# KiCad board pandakbd_panel.kicad_pcb (continued)
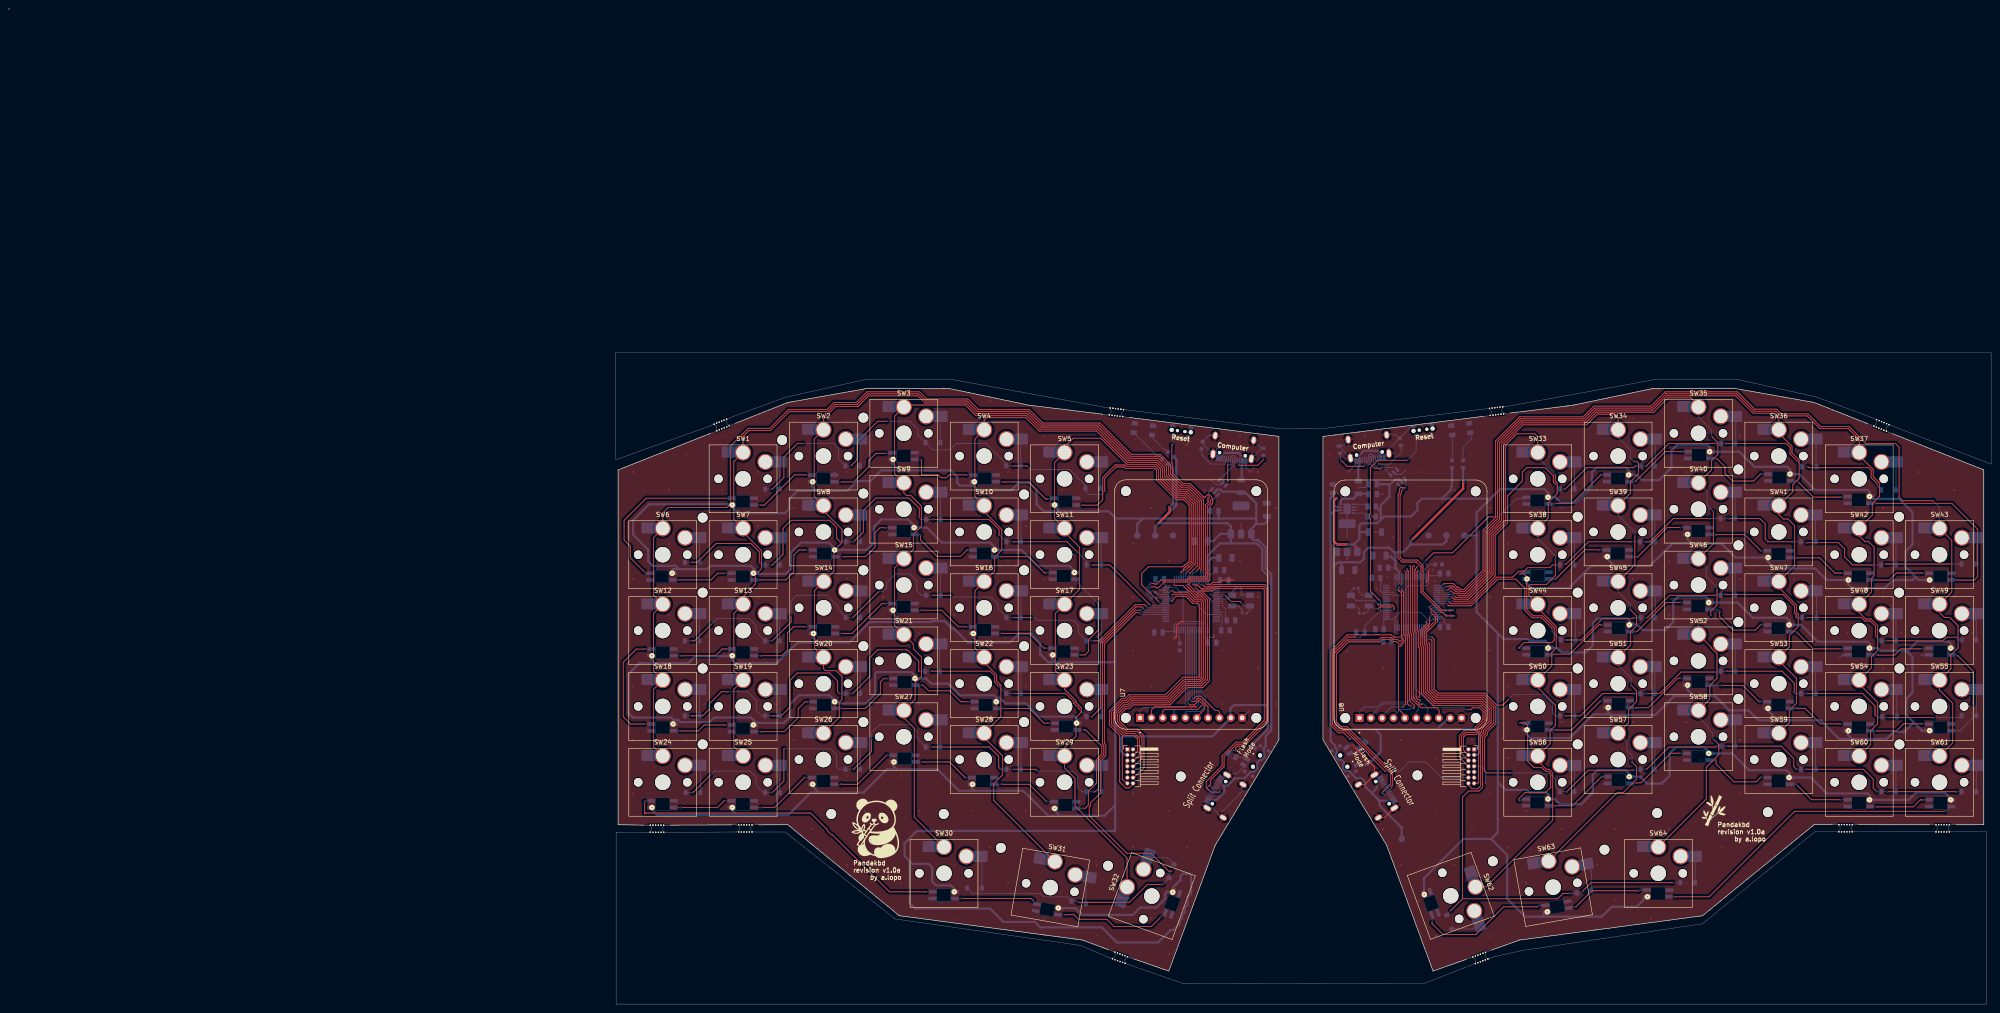
[diagram p0: board, top side]
## Routing (per net, layer and track width the routed paths; a pad name or vN(x,y) marks a point on that pad's centre or on a via; arc(x,y) is an arc through that point) (continued)
Net-(LED27-DOUT): length 15.8
  Top w0.2: v1(32.71,44.05) 35.62,44.05 v1(42.31,50.75)
  Bottom w0.2: v1(42.31,50.75) 44.01,50.75 ; 31.02,44.05 v1(32.71,44.05)
Net-(LED28-DOUT): length 13.6
  Top w0.2: v1(24.31,45.55) 22.82,44.05 v1(14.51,44.05)
  Bottom w0.2: v1(24.31,45.55) 26.01,45.55 ; 13.02,44.05 v1(14.51,44.05)
Net-(LED29-DOUT): length 76.4
  Top w0.2: v1(69.51,25.15) 61.36,25.15 48.56,37.95 48.31,37.95 47.46,38.8 47.46,39.05 43.71,42.8 6.71,42.8 6.51,42.6 v1(6.51,45.4)
  Bottom w0.2: v1(6.51,45.4) 6.66,45.55 8.01,45.55 ; v1(69.51,25.15) 71.01,25.15
Net-(LED30-DOUT): length 18.9
  Top w0.2: v1(77.51,23.65) 93.1,23.65 v1(93.53,23.22)
  Bottom w0.2: v1(93.53,23.22) 94.38,22.37 ; 76.02,23.65 v1(77.51,23.65)
Net-(LED31-DOUT): length 26.5
  Top w0.2: v1(122.08,19.43) 120.05,17.4 111.64,17.4 110.04,19 103.71,19 102.69,20.03 v1(100.71,20.03)
  Bottom w0.2: 99.05,20.03 v1(100.71,20.03) ; v1(122.08,19.43) 123.15,20.51
Net-(LED33-DOUT): length 15.8
  Top w0.2: v1(220.71,118.6) 214.31,112.2 v1(210.51,112.2)
  Bottom w0.2: 209.02,112.07 210.38,112.07 v1(210.51,112.2) ; v1(220.71,118.6) 222.04,118.6 222.07,118.57
Net-(LED34-DOUT): length 15.9
  Top w0.2: v1(228.51,117.2) 235.11,123.8 v1(238.91,123.8)
  Bottom w0.2: 240.21,123.77 240.18,123.8 v1(238.91,123.8) ; v1(228.51,117.2) 228.38,117.07 227.07,117.07
Net-(LED35-DOUT): length 16.7
  Top w0.2: v1(256.51,118.8) 254.91,117.2 250.21,117.2 248.51,118.9 248.51,120.4 v1(246.71,122.2)
  Bottom w0.2: 258.21,118.77 256.55,118.77 v1(256.51,118.8) ; v1(246.71,122.2) 246.64,122.27 245.22,122.27
Net-(LED36-DOUT): length 14.4
  Top w0.2: v1(274.31,113.6) 268.31,113.6 v1(265.11,116.8)
  Bottom w0.2: 276.01,113.75 275.86,113.6 v1(274.31,113.6) ; v1(265.11,116.8) 264.64,117.27 263.22,117.27
Net-(LED37-DOUT): length 43.4
  Top w0.2: v1(282.31,112.2) 299.31,112.2 305.11,106.4 305.11,95.8 304.31,95 v1(300.51,95)
  Bottom w0.2: v1(300.51,95) 299.25,95 299.22,95.03 ; 281.02,112.25 282.26,112.25 v1(282.31,112.2)
Net-(LED38-DOUT): length 13.9
  Top w0.2: v1(292.71,96.6) 286.91,96.6 285.31,95 v1(282.31,95)
  Bottom w0.2: 294.21,96.53 294.14,96.6 v1(292.71,96.6) ; v1(282.31,95) 282.26,95.05 281.02,95.05
Net-(LED39-DIN): length 31.9
  Top w0.2: v1(202.51,96.4) 203.51,96.4 204.11,95.8 204.11,88.4 205.51,87 207.66,87 210.26,84.4 210.26,81.55 209.71,81 203.51,81 202.35,79.83 202.31,79.83 v1(202.35,79.8)
  Bottom w0.2: v1(202.35,79.8) 203.98,79.8 204.01,79.77 ; v1(202.51,96.4) 202.88,96.77 204.01,96.77
Net-(LED39-DOUT): length 16
  Top w0.2: v1(220.71,84.97) 220.68,85 220.31,85 213.71,78.4 v1(210.31,78.4)
  Bottom w0.2: v1(210.31,78.4) 210.18,78.27 209.02,78.27 ; v1(220.71,84.97) 222.21,84.97
Net-(LED40-DIN): length 15.8
  Top w0.2: v1(220.31,101.8) 217.11,101.8 v1(210.51,95.2)
  Bottom w0.2: v1(220.31,101.8) 220.35,101.77 222.01,101.77 ; v1(210.51,95.2) 209.09,95.2 209.02,95.27
Net-(LED41-DIN): length 15.8
  Top w0.2: v1(228.91,100.2) 228.95,100.2 235.55,106.8 v1(238.51,106.8)
  Bottom w0.2: 240.01,106.75 239.96,106.8 v1(238.51,106.8) ; v1(228.91,100.2) 227.09,100.2 227.02,100.27
Net-(LED42-DIN): length 14.5
  Top w0.2: v1(246.51,105.2) 252.91,105.2 v1(256.51,101.6)
  Bottom w0.2: 245.02,105.25 245.07,105.2 v1(246.51,105.2) ; 258.01,101.57 256.55,101.57 v1(256.51,101.6)
Net-(LED43-DIN): length 14.5
  Top w0.2: v1(274.51,96.6) 273.11,96.6 269.71,100 v1(264.71,100)
  Bottom w0.2: v1(274.51,96.6) 274.56,96.55 276.01,96.55 ; v1(264.71,100) 263.09,100 263.02,100.07
Net-(LED45-DOUT): length 15.5
  Top w0.2: v1(238.51,90) 235.31,90 228.78,83.47 v1(228.51,83.47)
  Bottom w0.2: v1(238.51,90) 239.98,90 240.01,89.97 ; v1(228.51,83.47) 227.22,83.47
Net-(LED46-DOUT): length 16.1
  Top w0.2: v1(247.31,88) 247.31,86.8 250.31,83.8 255.31,83.8 v1(256.51,85)
  Bottom w0.2: 245.02,88.47 246.64,88.47 247.11,88 v1(247.31,88) ; v1(256.51,85) 257.98,85 258.01,84.97
Net-(LED47-DOUT): length 14.7
  Top w0.2: v1(264.71,83.2) 268.31,79.6 v1(274.31,79.6)
  Bottom w0.2: v1(264.71,83.2) 264.44,83.47 263.02,83.47 ; 276.01,79.77 275.84,79.6 v1(274.31,79.6)
Net-(LED48-DOUT): length 13.9
  Top w0.2: v1(292.31,79.6) 287.91,79.6 286.51,78.2 v1(282.71,78.2)
  Bottom w0.2: 281.02,78.27 282.64,78.27 v1(282.71,78.2) ; 294.21,79.77 294.04,79.6 v1(292.31,79.6)
Net-(LED49-DOUT): length 22.9
  Top w0.2: v1(300.71,78) 304.11,74.6 v1(304.11,67.4)
  Bottom w0.2: 299.22,78.27 300.44,78.27 v1(300.71,78) ; 299.22,61.27 301.18,61.27 304,64.09 304,65.22 304.11,65.33 v1(304.11,67.4)
Net-(LED50-DOUT): length 13.9
  Top w0.2: v1(282.51,61.2) 286.91,61.2 288.51,62.8 v1(292.71,62.8)
  Bottom w0.2: 281.02,61.25 281.07,61.2 v1(282.51,61.2) ; 294.21,62.77 292.75,62.77 v1(292.71,62.8)
Net-(LED51-DIN): length 31.1
  Top w0.2: v1(202.31,45.6) 202.31,46 203.71,47.4 208.31,47.4 209.46,48.55 209.46,51.61 208.92,52.16 208.32,52.16 207.48,53 205.71,53 204.31,54.4 204.31,62.4 203.71,63 202.71,63 v1(202.66,62.95)
  Bottom w0.2: 204.01,45.95 203.86,45.8 202.91,45.8 202.71,45.6 v1(202.31,45.6) ; v1(202.66,62.95) 204.01,62.95
Net-(LED51-DOUT): length 15.9
  Top w0.2: v1(220.91,50.95) 220.86,50.95 214.36,44.45 v1(210.31,44.45)
  Bottom w0.2: v1(220.91,50.95) 222.21,50.95 ; v1(210.31,44.45) 209.02,44.45
Net-(LED52-DIN): length 15.9
  Top w0.2: v1(220.51,67.8) 214.11,61.4 v1(210.71,61.4)
  Bottom w0.2: 222.21,67.95 220.66,67.95 v1(220.51,67.8) ; 209.02,61.45 209.07,61.4 v1(210.71,61.4)
Net-(LED53-DIN): length 15.6
  Top w0.2: v1(228.51,66.4) 231.31,66.4 237.91,73 v1(238.51,73)
  Bottom w0.2: v1(228.51,66.4) 227.27,66.4 227.22,66.45 ; v1(238.51,73) 238.55,72.97 240.01,72.97
Net-(LED54-DIN): length 14.5
  Top w0.2: v1(247.71,71.4) 252.51,71.4 256.11,67.8 v1(256.31,67.8)
  Bottom w0.2: 245.02,71.47 245.09,71.4 v1(247.71,71.4) ; v1(256.31,67.8) 257.98,67.8
Net-(LED55-DIN): length 14.5
  Top w0.2: v1(274.31,62.8) 269.91,62.8 266.44,66.27 v1(264.38,66.27)
  Bottom w0.2: v1(274.31,62.8) 275.96,62.8 276.01,62.75 ; v1(264.38,66.27) 263.02,66.27
Net-(LED57-DOUT): length 15.6
  Top w0.2: v1(238.31,56.2) 236.31,56.2 229.71,49.6 v1(228.71,49.6)
  Bottom w0.2: 227.22,49.45 228.56,49.45 v1(228.71,49.6) ; v1(238.31,56.2) 239.98,56.2 240.01,56.17
Net-(LED58-DOUT): length 15.9
  Top w0.2: v1(256.51,50.8) 255.51,49.8 250.51,49.8 246.51,53.8 v1(246.51,54.6)
  Bottom w0.2: v1(246.51,54.6) 246.44,54.67 245.02,54.67 ; v1(256.51,50.8) 257.98,50.8 258.01,50.77
Net-(LED59-DOUT): length 14.4
  Top w0.2: v1(264.91,48.8) 267.91,45.8 v1(274.31,45.8)
  Bottom w0.2: v1(264.91,48.8) 264.44,49.27 263.02,49.27 ; v1(274.31,45.8) 275.98,45.8 276.01,45.77
Net-(LED60-DOUT): length 13.9
  Top w0.2: v1(292.91,45.77) 292.28,45.77 290.71,44.2 v1(282.51,44.2)
  Bottom w0.2: v1(282.51,44.2) 281.09,44.2 281.02,44.27 ; v1(292.91,45.77) 294.21,45.77
Net-(LED61-DOUT): length 71.6
  Top w0.2: v1(297.71,43.2) 264.11,43.2 244.96,24.05 v1(237.26,24.05)
  Bottom w0.2: v1(297.71,43.2) 298.15,43.2 299.22,44.27 ; v1(237.26,24.05) 236.02,24.05
Net-(LED62-DOUT): length 19.2
  Top w0.2: v1(229.11,25.4) 218.71,25.4 v1(215.11,21.8)
  Bottom w0.2: 231.01,25.55 229.26,25.55 v1(229.11,25.4) ; v1(215.11,21.8) 213.79,21.8 213.51,21.52
Net-(LED63-DIN): length 31.1
  Top w0.2: v1(206.51,21.8) 198.91,21.8 192.71,15.6 185.31,15.6 182.91,18 v1(182.91,18.2)
  Bottom w0.2: v1(182.91,18.2) 182.91,19.89 182.82,19.99 ; v1(206.51,21.8) 206.84,22.12 208.32,22.12
Net-(U3-PA11): length 1.5
  Bottom w0.2: 122.54,91.3 122.33,91.3 122.03,91 R13.1
Net-(U3-PA12): length 1.9
  Bottom w0.2: 122.55,91.79 122.28,91.78 121.58,91.78 121.11,92.25 R14.1
Net-(U3-VCAP_1): length 3
  Bottom w0.2: U3.30 126.17,82 126.36,81.81 126.36,81.03 126.39,81
Net-(U4-PA11): length 1.2
  Bottom w0.2: 184.67,88.28 184.94,88.28 185.83,88.28 185.86,88.25
Net-(U4-PA12): length 2.5
  Bottom w0.2: U4.45 185.08,87.78 185.86,87 R16.1
Net-(U4-VCAP_1): length 4.8
  Bottom w0.2: U4.30 181.05,97.18 182.36,98.5 183.84,98.5
Net-(U6-ILIM): length 3.5
  Bottom w0.2: R5.1 167.69,110.01 U6.4
Net-(U6-STAT): length 3.4
  Bottom w0.2: U6.1 167.96,111.99 R6.2
Net-(USBC1-CC1): length 8.4
  Bottom w0.2: 136.71,121.82 136.61,121 133.36,121 131.22,123.14 R1.2
Net-(USBC1-CC2): length 7.6
  Top w0.2: v1(145.11,122) 143.84,120.73 v1(139.56,120.73)
  Bottom w0.2: 139.66,121.25 139.59,120.73 v1(139.56,120.73) ; R7.2 v1(145.11,122)
Net-(USBC1-DN1): length 7.1
  Top w0.2: v1(137.21,120.84) 137.11,120.75 v1(137.11,117.25)
  Bottom w0.2: 137.21,121.46 137.13,120.92 v1(137.21,120.84) 137.23,120.82 137.83,120.82 138.19,121.18 138.22,121.65 ; v1(137.11,117.25) 137.11,116.63 U5.3
Net-(USBC1-DP1): length 6.6
  Bottom w0.2: 137.83,122.61 138.09,122.9 138.73,122.83 138.86,122.47 ; 138.69,121.35 138.32,120.55 135.25,117.48
Net-(USBC2-CC1): length 8.2
  Top w0.2: v1(167.61,120.5) 163.86,120.5 v1(162.61,121.75)
  Bottom w0.2: 167.86,121.5 167.86,120.75 v1(167.61,120.5) ; v1(162.61,121.75) 162.36,122 162.36,123.25
Net-(USBC2-CC2): length 8.6
  Bottom w0.2: 170.8,121.76 170.89,121.16 171.51,120.84 173.21,120.84 176.11,123.75 176.11,124.25 175.93,124.43 R8.2
Net-(USBC2-DN1): length 8.5
  Top w0.2: v1(169.88,120.24) 170.05,120.06 171.42,120.06 v1(171.61,120.25)
  Bottom w0.2: 168.36,121.5 168.61,121 169.11,121 ; 169.11,121 169.36,121.75 ; 169.11,121 v1(169.88,120.24) ; U10.3 174.54,120.25 v1(171.61,120.25)
Net-(USBC2-DP1): length 7.6
  Bottom w0.2: 168.7,122.64 168.75,123.11 169.36,123.29 169.66,122.9 169.66,122.58 ; 169.86,121.75 169.86,121.03 171.21,119.68 172.68,119.68 173.61,118.75 U10.1

## Copper pours and planes (outline as drawn; the poured copper is in the pictures)
GND on Top, Bottom: -1.79,139.2 -2.26,4.65 150.81,4.89 150.81,139.72 98.51,139.2
GND on Top, Bottom: 155.31,5.2 155.31,139.6 312.31,140 312.11,5.4

## Text on the board
F.Silkscreen: Flash / Mode | Computer | Reset | Split Connector | Pandakbd / revision v1.0a / by a.lopo
